# Altium PCB JW3651原理图与PCB.pcbdoc
Units mil, origin at the board's own origin, x right, y up, seen from the top; angles counter-clockwise.
Board outline 1090 x 605 mil, 2 copper layers (Top Layer, Bottom Layer); 18 components, 12 nets, 44 pads, 24 vias.
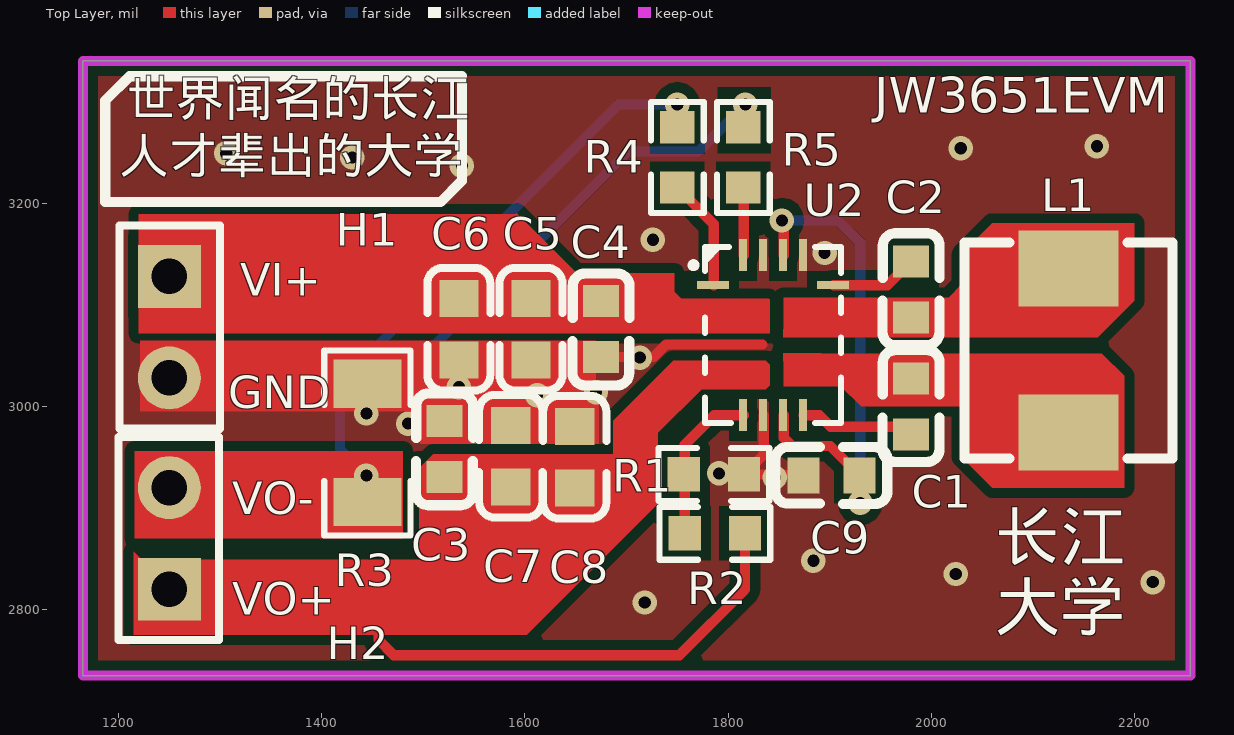
[diagram p0: Top Layer view]
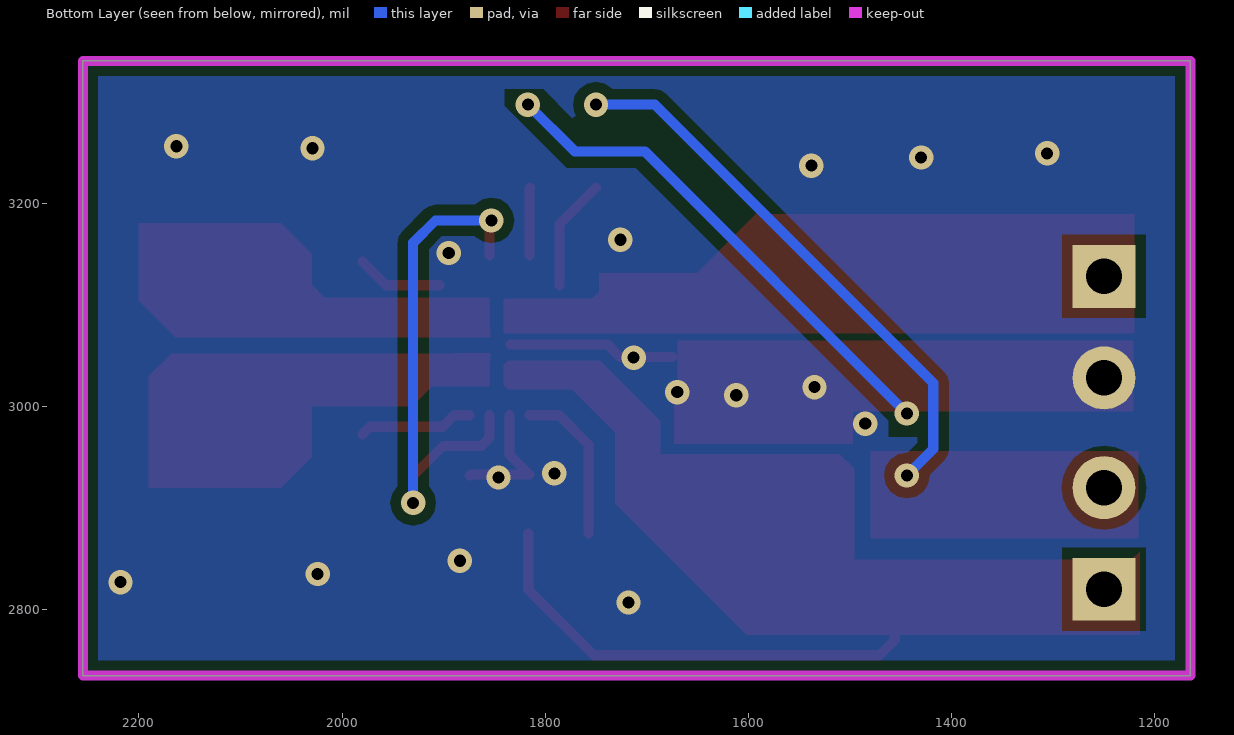
[diagram p1: Bottom Layer view, seen from below]

## Layer stack, top to bottom
Top Layer: signal copper 1.4
Dielectric: dielectric 12.6, FR-4, Dk 4.8
Bottom Layer: signal copper 1.4

## Board outline
1165,2735 2255,2735 2255,3340 1165,3340

## Design rules (kind name [scope] priority, off if disabled: settings)
Clearance ClearancePolygon [InPolygon] p1: gap=10
Clearance [All] p2: gap=6
ComponentClearance [All] p1: gap=0 collisioncheckmode=3 verticalgap=0 showdistances=FALSE
Height [All] p1: minheight=0 maxheight=5000 prefheight=500
HoleSize [All] p1: absolutevalues=TRUE maxlimit=200 minlimit=1 maxpercent=80.000 minpercent=20.000
HoleToHoleClearance [All] p1: gap=6 allowstackedmicrovias=TRUE
MinimumAnnularRing [All] p1: minimumring=4
MinimumSolderMaskSliver [All] p1: minsoldermaskwidth=0
PolygonConnect [All] p1: connectstyle=Direct reliefconductorwidth=10 reliefentries=4 polygonreliefangle="90 Angle" airgapwidth=10
RoutingVias [All] p1: holewidth=12 width=24 viastyle="Through Hole" minholewidth=12 minwidth=20 maxholewidth=28 maxwidth=50
SilkToSilkClearance [All] p1: silktosilkclearance=0
SilkscreenOverComponentPads SilkToSolderMaskClearance [IsPad] p1: minsilkscreentomaskgap=0
SolderMaskExpansion [All] p1: expansion=2
Width [All] p1: maxlimit=100 minlimit=6 preferedwidth=10
21 further rules are at their usual default settings.

## Components (designator, comment, footprint, x,y, rotation, side; value= is the part's Value field where it differs from the comment)
C1 "0.1u" C0603 1980,3000 r270 top
C2 "0.1u" C0603 1980,3115 r270 top
C3 "0.1u" C0603 1521,2958 r90 top
C4 "0.1u" C0603 1675,3076 r90 top
C5 "22u" LC-0603_C 1606,3076 r270 top
C6 "22u" LC-0603_C 1535,3076 r270 top
C7 "22u" LC-0603_C 1586,2951 r270 top
C8 "22u" LC-0603_C 1649,2950 r270 top
C9 "10u" C0603 1902,2932 r0 top
H1 "HDR-F-2.54_1x2" HDR-F-2.54_1X2 1250,3078 r270 top
H2 "HDR-F-2.54_1x2" HDR-F-2.54_1X2 1250,2870 r90 top
L1 "10uH" IND-SMD_L5.4-W5.2_FXL0530 2135,3055 r270 top
R1 "22k" R0603 1786,2933 r180 top
R2 "100k" R0603 1787,2875 r0 top
R3 "10m" R1206 1445,2964 r270 top
R4 "2.2k" R0603 1750,3245 r90 top
R5 "2.2k" R0603 1815,3245 r90 top
U2 "JW3651" JW3651 1844.21,3070.1 r270 top (schematic designator U1)

## Footprints (in the part's own frame and the unit in brackets; to place one, negate y for a bottom-side part, rotate by r counter-clockwise, add the part's x,y. Pads: shape width x height; smd on the part's side, far side on the other; paste and mask are expansions set on the pad)
C0603 [mm]
  rect 0.8x0.9 smd paste+0 mask+0.051: 1(-0.7,0) 2(0.7,0)
  silkscreen extent -1.41,-0.71 1.39,0.72
HDR-F-2.54_1X2 [mil]
  rect 62x62 hole 35 paste+0 mask+2: 1(-50,0)
  round 62 hole 35 paste+0 mask+2: 2(50,0)
  silkscreen extent -100,-49 100,50
IND-SMD_L5.4-W5.2_FXL0530 [mm]
  rect 1.9x2.5 smd paste+0 mask+0.051: 1(-2.05,0) 2(2.05,0)
  silkscreen extent -2.7,-2.6 2.7,2.6
JW3651 [mm]
  rect 0.2x0.8 smd paste+0 mask+0.051: 1(-1.25,-1.5) 11(-1.25,1.5)
  rect 0.8x0.2 smd paste+0 mask+0.051: 5(2,-0.75) 6(2,-0.25) 7(2,0.25) 8(2,0.75) 12(-2,0.75) 13(-2,0.25) 14(-2,-0.25) 15(-2,-0.75)
  Top Layer region: 0.65,0.25 0.65,0.98 0.85,1.12 0.85,1.9 0.65,1.9 0.65,1.35 0.45,1.21 0.45,0.25
  Top Layer region: -0.15,0.25 -0.15,0.98 -0.35,1.12 -0.35,1.9 -0.15,1.9 -0.15,1.35 0.05,1.21 0.05,0.25
  Top Layer region: -0.65,-0.28 -0.65,-0.93 -0.85,-1.1 -0.85,-1.9 -0.65,-1.9 -0.65,-1.23 -0.45,-1.06 -0.45,-0.28
  Top Layer region: 1.15,-0.28 1.15,-0.93 1.35,-1.1 1.35,-1.9 1.15,-1.9 1.15,-1.23 0.95,-1.06 0.95,-0.28
  Top Layer region: 0.35,-0.28 0.35,-1.9 0.15,-1.9 0.15,-0.28
  silkscreen extent -2.2,-1.7 2.2,1.7
LC-0603_C [mm]
  rect 0.93x0.98 smd: 1(-0.77,0) 2(0.77,0)
  silkscreen extent -1.53,-0.79 1.54,0.79, body extent -0.8,-0.4 0.8,0.4, height 0.3
R0603 [mil]
  rect 31.75x34.02 smd paste-3937.01 mask+2: 1(-29.65,0) 2(29.65,0)
  silkscreen extent -55,-26 55,26
R1206 [mil]
  rect 47.54x66.97 smd paste-3937.01 mask+2: 1(-58.22,0) 2(58.22,0)
  silkscreen extent -91,-42 91,42

## Via types
v1: diameter 24, hole 12, Top Layer to Bottom Layer, 24 vias

## Nets (pads, with @x,y where several pads share a name; then routed paths per layer and width w, separated by ;. In a path a pad name is that pad's centre, name@x,y a point inside that pad or via, vN(x,y) a via of type N, cw(c..) or ccw(c..) an arc to the next point about the centre after c; other vN are vias at no path point)
GND: C3.2 C4.1 C5.2 C6.2 C7.1 C8.1 C9.1 H1.2 R1.1 R3.1 R5.2 U2.6 U2.12 U2.14 | length 788.6
  Top Layer w10: C4.1 1726.44,3048.45 1739,3061 1833.98,3061 ; U2.6@1835.16,2991.26 1835.16,2952.5 R1.1 1873.44,2933 C9.1
  Bottom Layer w10: v1(1444,2993) 1702,3251 1771,3251 v1(1817,3297)
  other v1: 1718,2807 2218,2827 2024,2835 1884,2848 1846,2930 1791,2934 1485,2983 1612,3011 1670,3014 1535,3019 1713,3048 1895,3151 1726,3164 1538,3237 1430,3245 1306,3249 2029,3254 2163,3256
U1_1: R4.1 U2.1 | length 111
  Top Layer w10: R4.1 1785.94,3179.4 U2.1@1785.94,3119.21
U1_5: R1.2 R2.1 U2.5 | length 157.4
  Top Layer w10: R2.1 1757.35,2962.34 1786.27,2991.26 U2.5@1815.46,2991.26
U1_8: C1.2 U2.8 | length 113.3
  Top Layer w10: U2.8@1874.51,2991.26 1889.73,2991.26 1901,2980 1972.44,2980 C1.2
U1_9: C1.1 L1.2
U1_10: C2.2 L1.1
U1_11: C2.1 U2.11 | length 85.6
  Top Layer w10: U2.11@1904.06,3119.21 1956.66,3119.21 C2.1
U1_15: R5.1 U2.15 | length 66.8
  Top Layer w10: R5.1 1815.47,3214.87 U2.15@1815.47,3148.74
VCC: C9.2 U2.7 U2.13 | length 489.4
  Top Layer w10: v1(1853,3183) 1854.84,3181.16 U2.13@1854.84,3148.74 ; U2.7@1854.83,2991.26 1854.83,2969.17 1863,2961 1900.56,2961 C9.2
  Bottom Layer w10: v1(1853,3183) 1908,3183 1930,3161 v1(1930,2905)
VIN: C4.2 C5.1 C6.1 H1.1
VO+: C3.1 C7.2 C8.2 H2.1 R2.2 | length 491
  Top Layer w10: 1456,2812 1456,2770 1471,2755 1752,2755 1816.65,2819.66 R2.2
VO-: H2.2 R3.2 R4.2 | length 547.3
  Bottom Layer w10: v1(1444,2932) 1418,2958 1418,3023 1692,3297 v1(1750,3297)

## Polygon pours and split planes (outlines as drawn)
GND on Top Layer "Top Layer-No Net" (solid, remove dead copper): 1165,2735 2255,2735 2255,3340 1165,3340
GND on Bottom Layer "Top Layer-No Net" (solid, remove dead copper, pour order 3): 1165,2735 2255,2735 2255,3340 1165,3340

## Other copper
Top Layer:
  rectangle net GND: 1497,2963 1673,3012
  rectangle net GND: 1221,2995 1670,3065
  rectangle net VO-: 1216,2870 1480,2956
  pour cut-out: 1790,3249 1842,3249 1842,3314 1790,3314
  region net VO+: 1215,2857 1223,2849 1496,2849 1496,2939 1510,2953 1687,2953 1687,2986 1746,3045 1837,3045 1841,3041 1841,3021 1837,3017 1774,3017 1731,2974 1731,2904 1602,2775 1215,2775
  region net VIN: 1220,3072 1841,3072 1841,3105 1840,3106 1754,3106 1747,3113 1747,3131 1651,3131 1592,3190 1591,3189 1220,3189
  region net U1_9: 1854.84,3020 1911,3020 1931,3000 2030,3000 2030,2950 2060,2920 2190,2920 2190,3030 2168,3052 1854.84,3052
  region net U1_10: 1854.84,3068.03 2164.03,3068.03 2200,3104 2200,3180 2060,3180 2030,3150 2030,3120 2017,3107 1854.84,3107
Bottom Layer:
  pour cut-out: 1430,2970 1462,2970 1462,2986 1711,3235 1779,3235 1840,3296 1840,3312 1802,3312 1754,3264 1692,3264 1430,3002

## Silkscreen, mask and mechanical layers (free items; w line width, h text height)
Top Overlay:
  circle w6: c1766,3139 r2.83
  lines w10: 1187,3201 1187,3301 1211,3325 1538,3325 1538,3222 1517,3201 1187,3201
  text "JW3651EVM" at 1944,3277 h60
  text "世界闻名的长江" at 1208,3274 h60
  text "人才辈出的大学" at 1201,3218 h60
  text "VI+" at 1320,3109 h32
  text "GND" at 1308,2998 h32
  text "VO-" at 1312,2894 h32
  text "长江" at 2063.31,2834 h80
  text "VO+" at 1312,2795 h32
  text "大学" at 2063,2765 h80
Top Solder:
  region: 1796,3033 1796,3025 1834,3025 1834,3033
  region: 1768,3065 1768,3056 1833,3056 1833,3065
  region: 1794,3096 1794,3088 1834,3088 1834,3096
  region: 1853,3053 1853,3044 1898,3044 1898,3053
  region: 1854,3077 1854,3068 1898,3068 1898,3077
  region: 1769,3025 1769,3017 1808,3017 1808,3025
  region: 1882,3045 1882,3036 1920,3036 1920,3045
  region: 1882,3084 1882,3076 1920,3076 1920,3084
  region: 1769,3104 1769,3095 1808,3095 1808,3104
Document:
  lines w0.1: 2172.22,2452.64 2172.24,2452.66